# Altium PCB button_PVT_P2_20180323.PcbDoc
Units mm, origin at the board's own origin, x right, y up, seen from the top; angles counter-clockwise.
Board outline 28.62 x 28.62 mm, 2 copper layers (Top Layer, Bottom Layer), stack 0.6 mm thick; 101 components, 60 nets, 286 pads, 241 vias.
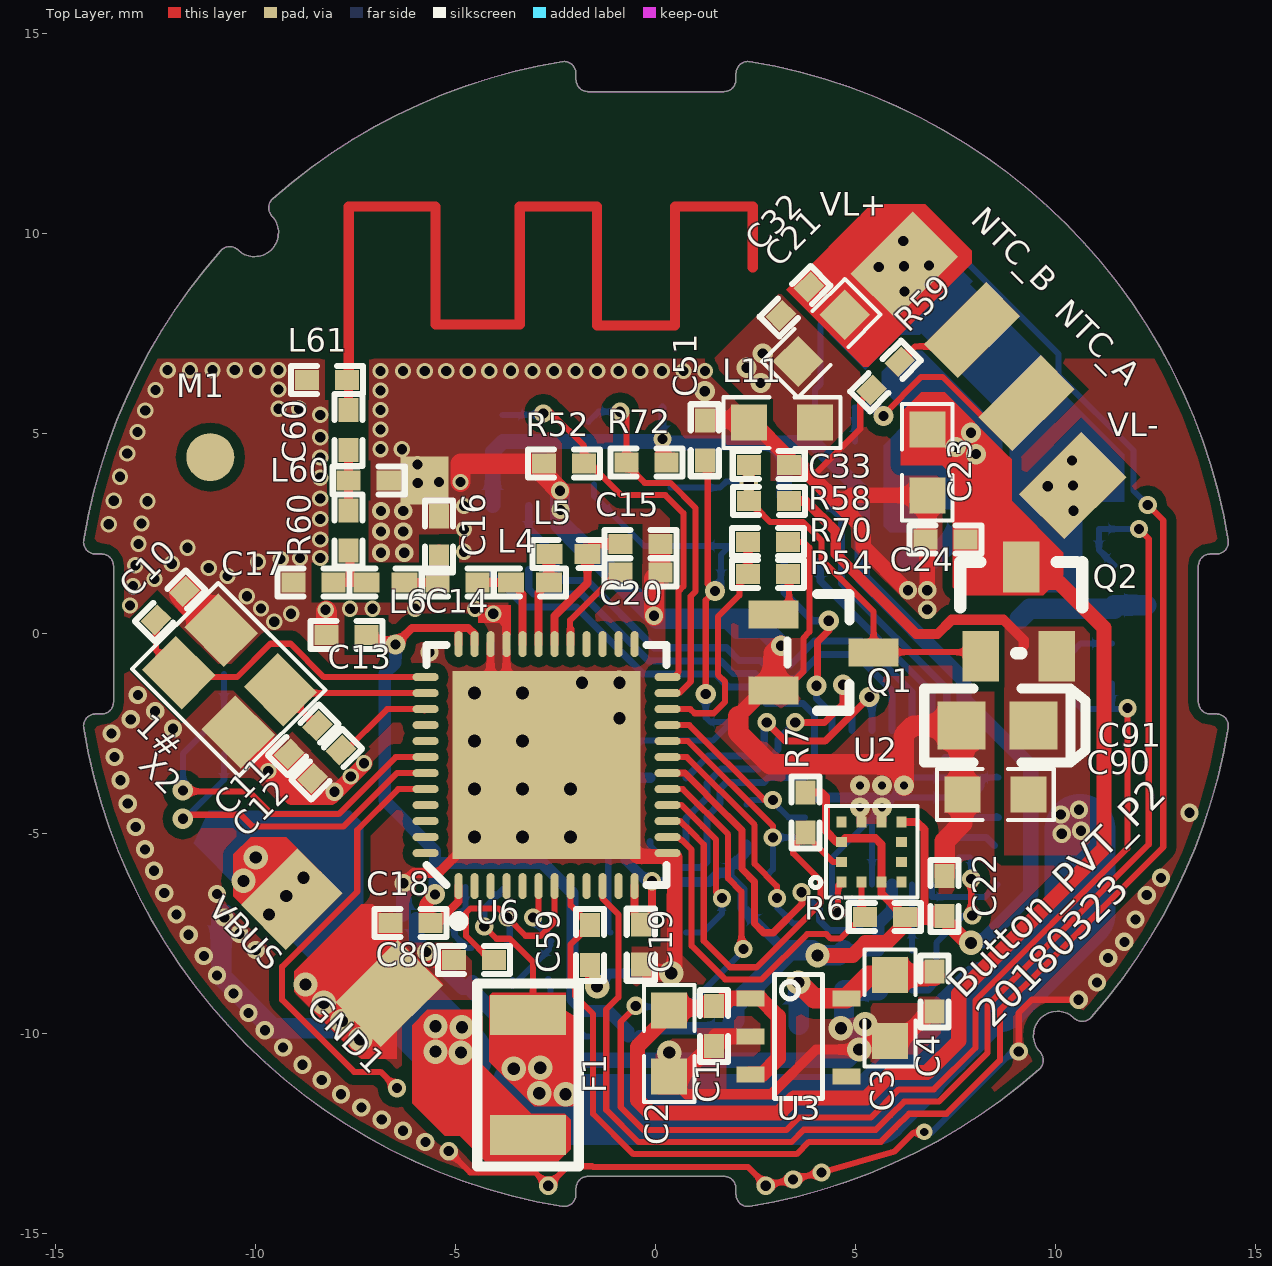
[diagram p0: Top Layer view]
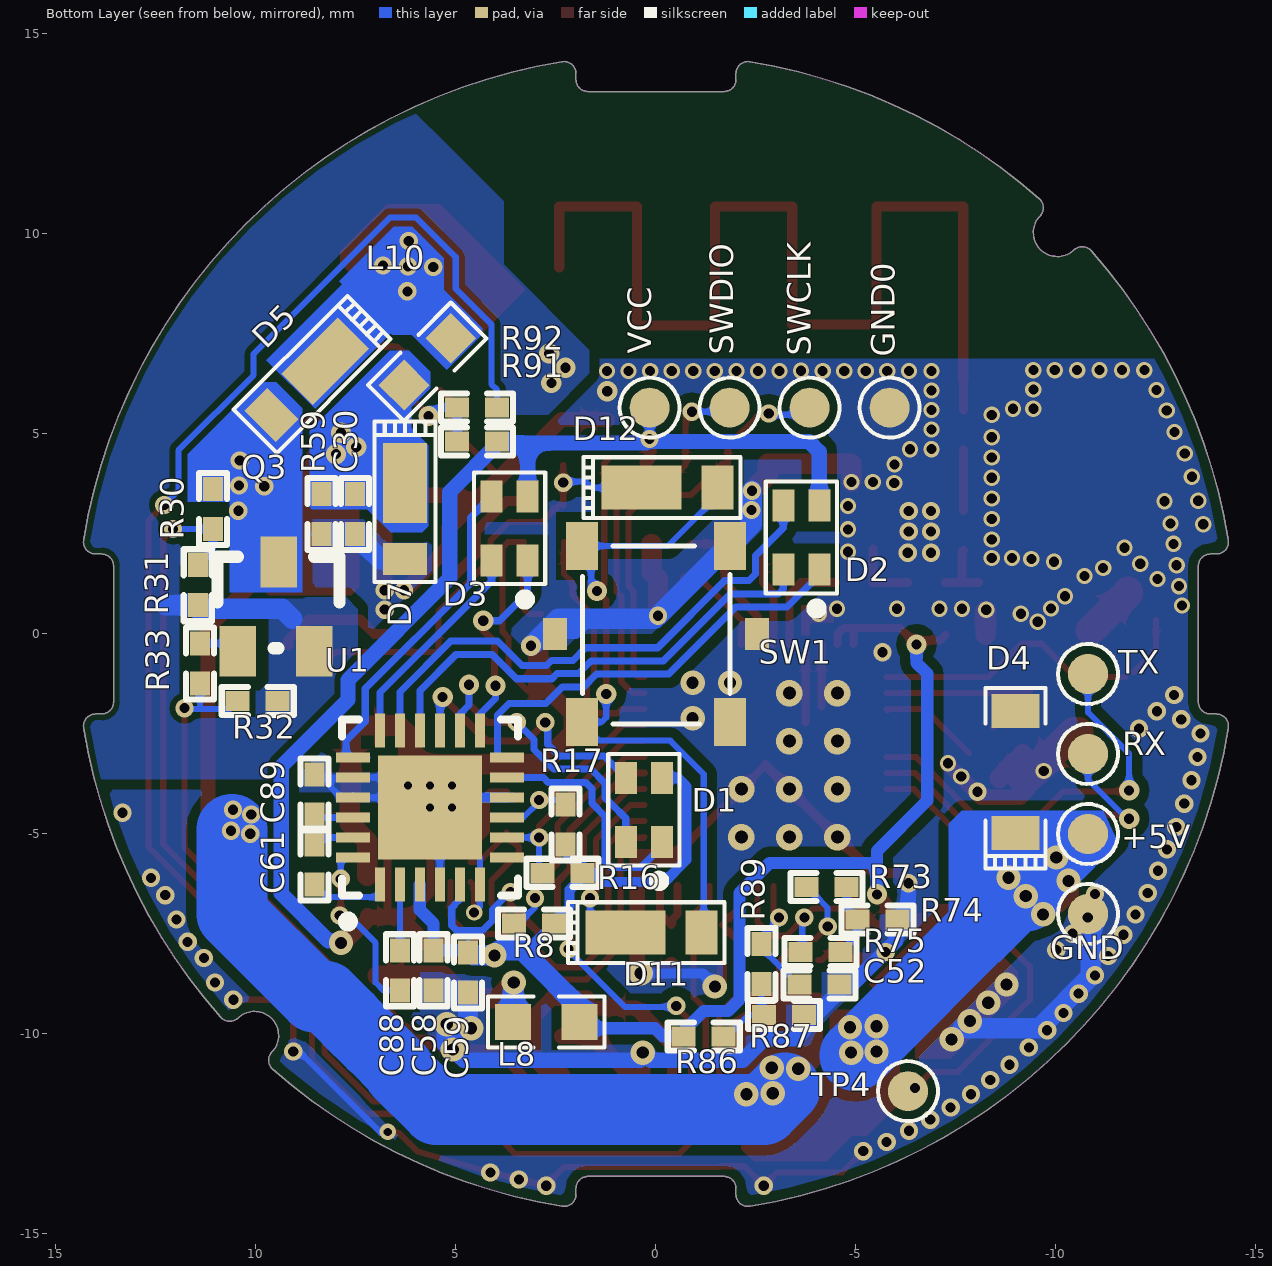
[diagram p1: Bottom Layer view, seen from below]
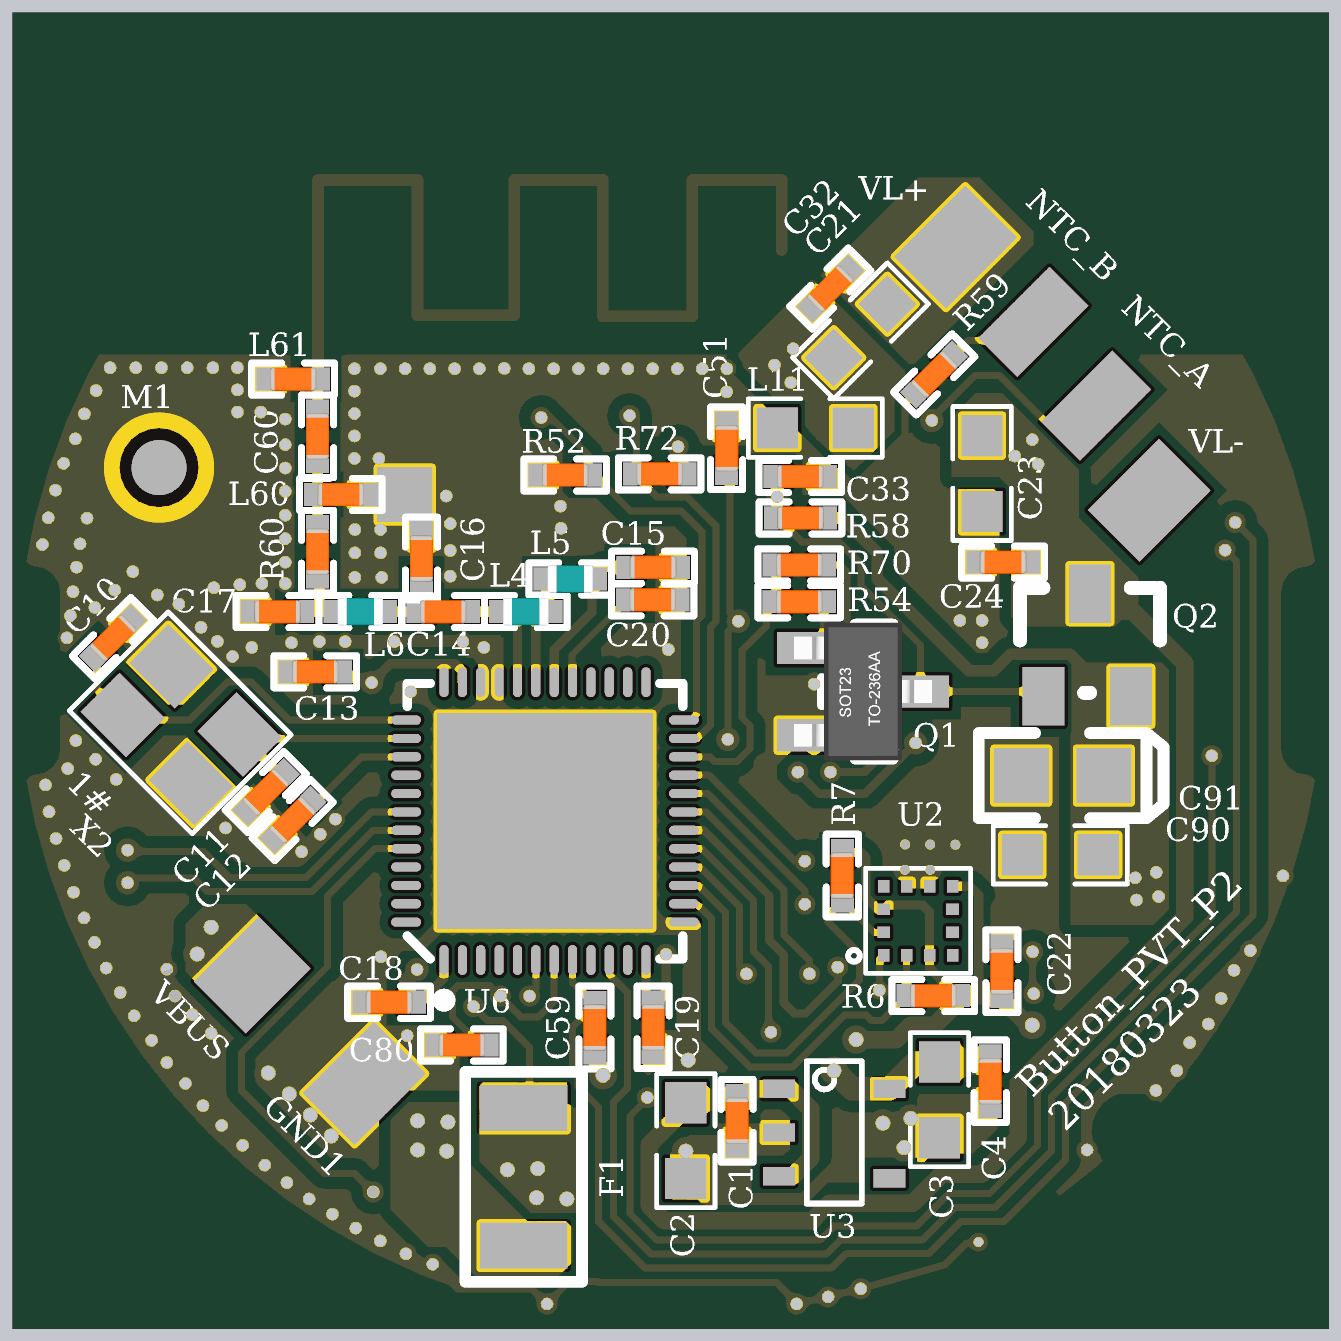
[diagram p2: 3D render of the assembled board from above, using the file's embedded part models]
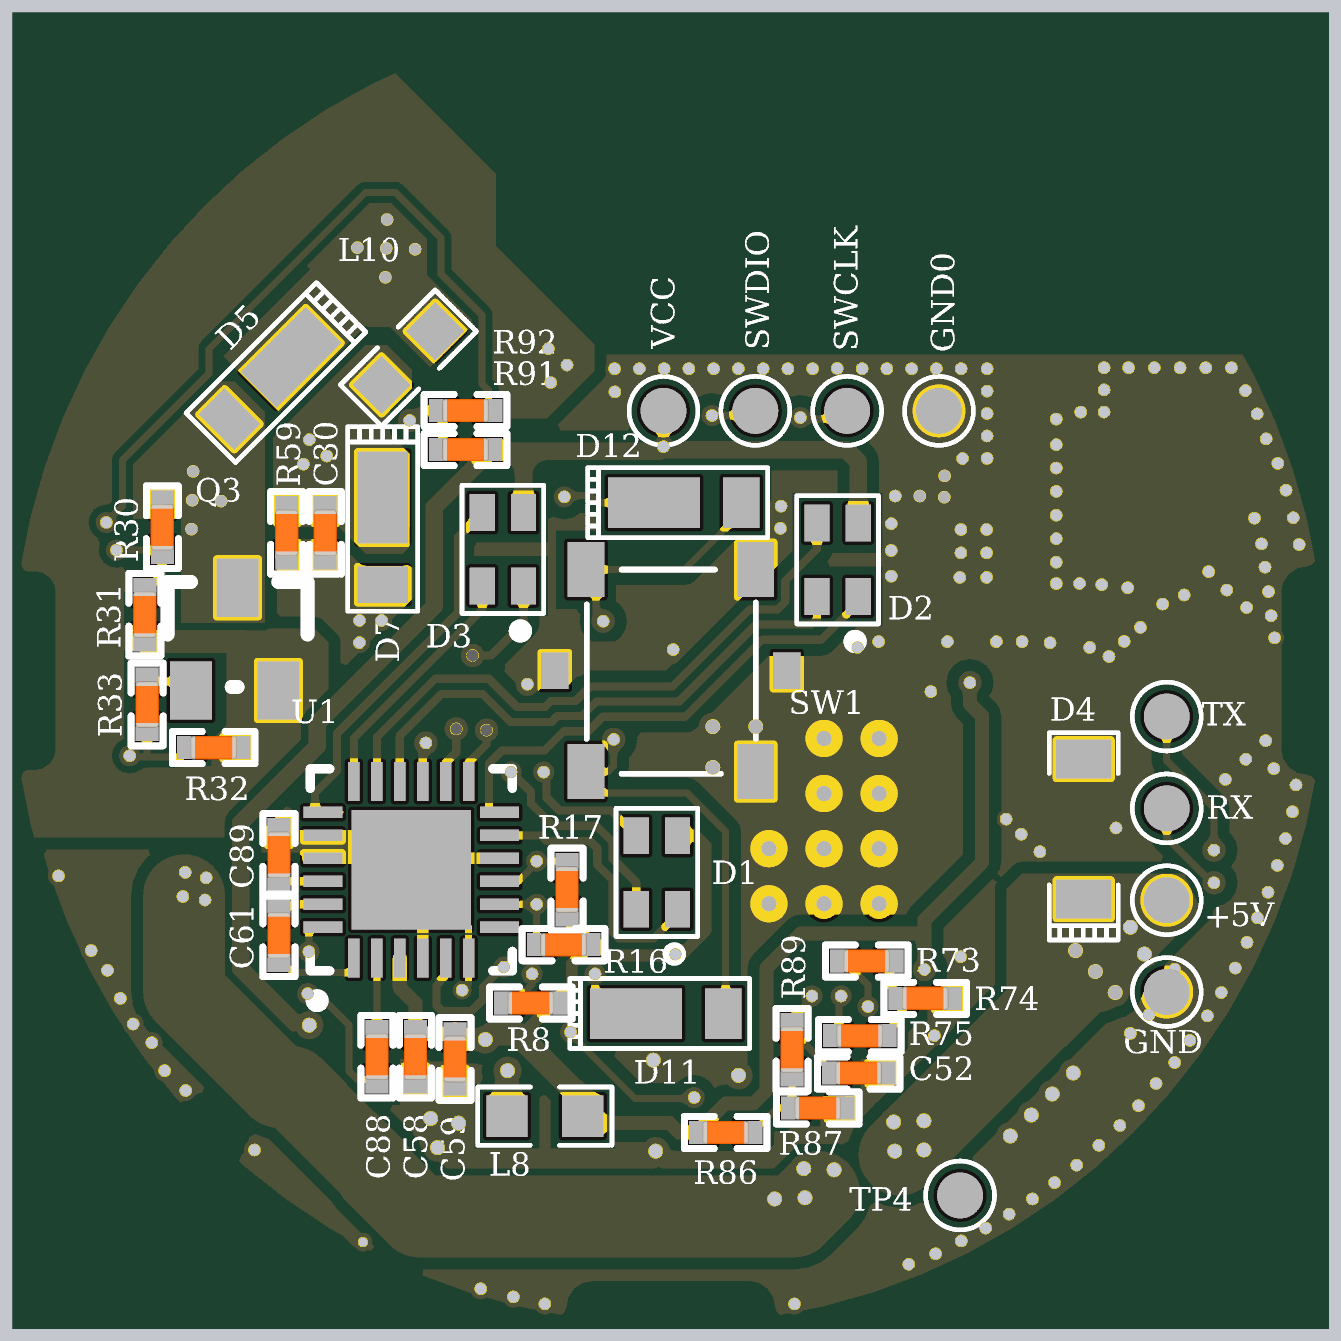
[diagram p3: 3D render of the assembled board from below, using the file's embedded part models]

## Layer stack, top to bottom
Top Solder: solder mask 0.1, Solder Resist, Dk 1.5
Top Layer: signal copper 0.15
Dielectric1: core 0.4, FR-4, Dk 1.8
Bottom Layer: signal copper 0.05
Bottom Solder: solder mask 0.1, Solder Resist, Dk 3.5

## Board outline
-14.309,-2.349 cw(c-14.012,-2.3) -14.012,-2 -13.861,-2 ccw(c-13.861,-1.7) -13.561,-1.7 -13.561,1.7 ccw(c-13.861,1.7) -13.861,2 -14.012,2 cw(c-14.012,2.3) -14.309,2.349 -14.309,2.348 cw(c0,0) -10.882,9.583 cw(c-10.657,9.384) -10.45,9.601 ccw(c-10.035,10.035) -9.601,10.45 cw(c-9.384,10.657) -9.583,10.882 cw(c0,0) -2.348,14.309 -2.349,14.309 cw(c-2.3,14.012) -2,14.012 -2,13.861 ccw(c-1.7,13.861) -1.7,13.561 1.7,13.561 ccw(c1.7,13.861) 2,13.861 2,14.012 cw(c2.3,14.012) 2.349,14.309 2.348,14.309 cw(c0,0) 14.309,2.348 14.309,2.349 cw(c14.012,2.3) 14.012,2 13.861,2 ccw(c13.861,1.7) 13.561,1.7 13.561,-1.7 ccw(c13.861,-1.7) 13.861,-2 14.012,-2 cw(c14.012,-2.3) 14.309,-2.349 14.309,-2.348 cw(c0,0) 10.882,-9.583 cw(c10.657,-9.384) 10.45,-9.601 ccw(c10.035,-10.035) 9.601,-10.45 cw(c9.384,-10.657) 9.583,-10.882 cw(c0,0) 2.348,-14.309 2.349,-14.309 cw(c2.3,-14.012) 2,-14.012 2,-13.861 ccw(c1.7,-13.861) 1.7,-13.561 -1.7,-13.561 ccw(c-1.7,-13.861) -2,-13.861 -2,-14.012 cw(c-2.3,-14.012) -2.349,-14.309 -2.348,-14.309 cw(c0,0)

## Design rules (kind name [scope] priority, off if disabled: settings)
Clearance Polygon_ANT [(InNamedPolygon('Top_Layer-GND')) or (InNamedPolygon('Bottom_Layer-GND')) vs InNet('NetC6_1')] p1: gap=0.152
Clearance Polygon [(InNamedPolygon('Top_Layer-GND')) or (InNamedPolygon('Bottom_Layer-GND'))] p2: gap=0.254
Clearance [All] p3: gap=0.152
ComponentClearance [All] p1 off: gap=0.254 collisioncheckmode=3 verticalgap=0.254 showdistances=FALSE
FabricationTestPointUsage TestPointUsage [All] p1: valid=0 allowmultiple=FALSE
FabricationTestpoint Testpoint [All] p1: side=3 testpointundercomponent=TRUE minsize=1.016 maxsize=2.54 preferedsize=1.524 minholesize=0 maxholesize=1.016 preferedholesize=0.813 testpointgrid=0.025 allowsidetop=TRUE allowsidebottom=TRUE usegrid=TRUE gridtolerance=0
Height [All] p1 off: minheight=0 maxheight=25.4 prefheight=12.7
HoleSize [All] p1: absolutevalues=TRUE maxlimit=4.064 minlimit=0.254 maxpercent=80.000 minpercent=20.000
MinimumAnnularRing [All] p1 off: minimumring=0.152
PlaneConnect [All] p1: planeconnectstyle=Direct reliefexpansion=0.508 reliefentries=4 reliefconductorwidth=0.381 reliefairgap=0.254
PolygonConnect PolygonConnect_1 [isVia and innet(gnd)] p1: connectstyle=Direct reliefconductorwidth=0.254 reliefentries=4 polygonreliefangle="90 Angle" airgapwidth=0.254
PolygonConnect [All] p2: connectstyle=Direct reliefconductorwidth=0.508 reliefentries=4 polygonreliefangle="90 Angle" airgapwidth=0.254
RoutingVias [All] p1: holewidth=0.406 width=0.813 viastyle="Through Hole" minholewidth=0.254 minwidth=0.254 maxholewidth=0.711 maxwidth=1.27
SilkToSolderMaskClearance SilkscreenOverComponentPads [IsPad] p1: minsilkscreentomaskgap=0.254 clearancetoexposedcopper=TRUE
SolderMaskExpansion [All] p1: expansion=0.076
Width [All] p1: maxlimit=2.54 minlimit=0.152 preferedwidth=0.152
23 further rules are at their usual default settings.

## Classes and differential pairs
component class button_mcu: 30 30mil C10 C11 C12 C13 C14 C15 C16 C17 C18 C19 C20 C52 C59 C60 GND GND0 L4 L5 L6 L60 L61 M1 NTC_A NTC_B R6 R7 R8 R16 R17 R52 R59 R60 R72 R86 R87 R89 R91 R92 RX SWCLK SWDIO TP3 TP4 TP20 TP21 TP22 TX U6 VCC X2
component class button_peripheral: +5V C1 C2 C3 C4 C21 C22 C23 C24 C30 C32 C33 C51 C80 C90 C91 D4 D5 D7 D11 D12 F1 GND1 GND_ L8 L10 L11 Q1 Q2 Q3 R30 R31 R32 R33 R54 R58 R59 R70 R73 R74 R75 SW1 TP27 U2 U3 VBUS VL+ VL-
component class LED: C58 C59 C61 C88 C89 D1 D2 D3 U1

## Components (designator, comment, footprint, x,y, rotation, side; value= is the part's Value field where it differs from the comment)
+5V "TP" TESTPOINT2 -10.8,-5 r90 bottom
C1 "0.1uF/10V" 0402C 1.448,-9.804 r270 top
C2 "10uF/10V" 0603C 0.33,-10.236 r270 top
C3 "10uF/10V" 0603C 5.853,-9.347 r270 top
C4 "0.1uF/10V" 0402C 6.96,-8.941 r270 top
C10 "12pF" CAPC1005X04L -12.144,0.708 r45 top
C11 "12pF" CAPC1005X04L -8.817,-2.645 r225 top
C12 "100nF" CAPC1005X04L -8.233,-3.255 r45 top
C13 "1.0nF" CAPC1005X04L -7.741,-0.027 r180 top
C14 "2.2pF" CAPC1005X04L -4.956,1.285 r180 top
C15 "2.2nF" CAPC1005X04L -0.384,2.25 r0 top
C16 "1.0pF" CAPC1005X04L -5.427,2.441 r90 top
C17 "1.5pF" CAPC1005X04L -8.563,1.285 r180 top
C18 "100nF" CAPC1005X04L -6.133,-7.221 r180 top
C19 "100nF" CAPC1005X04L -0.381,-7.769 r270 top
C20 "47nF" CAPC1005X04L -0.392,1.542 r0 top
C21 "22uF/25V" 0603C 4.136,7.399 r225 top
C22 "1uF/10V" 0402C 7.214,-6.547 r90 top
C23 "22uF/25V" 0603C 6.782,4.293 r270 top
C24 "1uF/50V" 0402C 7.239,2.362 r180 top
C30 "10nF/16V" 0402C 7.527,3 r270 bottom
C32 "1uF/50V" 0402C 3.475,8.321 r225 top
C33 "1pF/16V" 0402C 2.819,4.227 r0 top
C51 "0.1uF/10V" 0402C 1.219,4.843 r270 top
C52 "0.1uF/10V" 0402C -4.089,-8.763 r0 bottom
C58 "1uF" 0402C 5.563,-8.407 r270 bottom
C59 "0.1uF" 0402C 4.699,-8.458 r270 bottom
C59 "0.1uF/10V" 0402C -1.651,-7.772 r90 top
C60 "2.2pF" 0402C -7.69,5.104 r90 top
C61 "0.47uF" 0402C 8.535,-5.766 r90 bottom
C80 "0.1uF/10V" 0402C -4.547,-8.153 r180 top
C88 "0.47uF" 0402C 6.401,-8.407 r270 bottom
C89 "1uF" 0402C 8.534,-4.013 r270 bottom
C90 "1uF/10V" 0603C 8.484,-4.013 r180 top
C91 "10uF/10V" LC-CASE-P_2012 8.534,-2.286 r0 top
D1 "RGB3528" R6GHBHC 0.305,-4.394 r90 bottom
D2 "RGB3528" R6GHBHC -3.632,2.413 r90 bottom
D3 "RGB3528" R6GHBHC 3.658,2.642 r90 bottom
D4 "RSA5M" SOD-123 -8.992,-3.453 r270 bottom
D5 "RB160VAM-40TR" PROGRAM_1/2 8.941,6.147 r225 bottom
D7 "SS14/IN5819" PROGRAM_1/2 6.274,2.819 r180 bottom
D11 "RBE2VAM20A" TUMD2M -0.193,-7.468 r90 bottom
D12 "RBE2VAM20A" TUMD2M -0.584,3.658 r90 bottom
F1 "2A" "1206-FUSE - duplicate" -3.2,-11.024 r90 top locked
GND "TP" TESTPOINT2 -10.8,-7 r90 bottom
GND0 "TP" TESTPOINT2 -5.84,5.657 r90 bottom
GND1 "TP" TESTPOINT_PAD#1 -6.672,-8.989 r90 top
L4 "4.7nH" INDC1005X04L -3.153,1.285 r180 top
L5 "10nH" INDC1005X04L -2.188,1.996 r180 top
L6 "3.3nH" INDC1005X04L -6.76,1.285 r180 top
L8 "600R-1.5A" L_0603 2.743,-9.703 r0 bottom
L10 "600R-1.5A" L_0603 5.715,6.807 r315 bottom
L11 "600R-1.5A" L_0603 3.15,5.283 r180 top
L60 "NC" 0402R -7.182,3.834 r180 top
L61 "NC" 0402R -8.223,6.349 r0 top
M1 "MARK" "Mark Point" -11.142,4.422 r0 top
NTC_A "TP" TESTPOINT_PAD#2 9.266,5.771 r90 top
NTC_B "TP" TESTPOINT_PAD#2 7.898,7.596 r90 top
Q1 "SST4401T116" LC-SOT-23(SOT-23-3) 4.191,-0.457 r180 top
Q2 "RRR030P03" TSMT3 9.068,0.559 r0 top
Q3 "MOSFET-N" TSMT3 9.5,0.686 r180 bottom
R6 "4.7K 1%" 0402R 5.719,-7.079 r180 top
R7 "4.7K1%" 0402R 3.738,-4.462 r270 top
R8 "1K 5%" 0402R 3.048,-7.239 r0 bottom
R16 "4.7K 1%" 0402R 2.337,-5.969 r0 bottom
R17 "4.7K1%" 0402R 2.261,-4.767 r90 bottom
R30 "4.7K" 0402R 11.074,3.124 r90 bottom
R31 "1K" 0402R 11.455,1.219 r90 bottom
R32 "1K" 0402R 9.957,-1.676 r180 bottom
R33 "1K" 0402R 11.405,-0.737 r270 bottom
R52 "12K/5%" 0402R -2.297,4.26 r180 top
R54 "1K" 0402R 2.8,1.5 r180 top
R58 "1K" 0402R 2.828,3.325 r0 top
R59 "1K" 0402R 8.365,3 r90 bottom
R59 "0" 0402R 5.74,6.452 r45 top
R60 "0" 0402R -7.69,2.59 r90 top
R70 "1K" 0402R 2.8,2.3 r0 top
R72 "1K/5%" 0402R -0.24,4.285 r0 top
R73 "300K" 0402R -4.267,-6.325 r0 bottom
R74 "150K 1%" 0402R -5.537,-7.137 r0 bottom
R75 "200K 1%" 0402R -4.115,-7.95 r180 bottom
R86 "150K 1%" 0402R -1.194,-10.058 r0 bottom
R87 "150K 1%" 0402R -3.2,-9.525 r0 bottom
R89 "200K 1%" 0402R -2.642,-8.255 r270 bottom
R91 "10K 1%" 0402R 4.471,4.814 r0 bottom
R92 "200K 1%" 0402R 4.47,5.664 r180 bottom
RX "TP" TESTPOINT2 -10.8,-3 r90 bottom
SW1 "Switch_1" KEY_Panasonic 0,0 r0 bottom locked
SWCLK "TP" TESTPOINT2 -3.84,5.657 r90 bottom
SWDIO "TP" TESTPOINT2 -1.84,5.657 r180 bottom
TP4 "TP" TESTPOINT2 -6.299,-11.43 r90 bottom
TX "TP" TESTPOINT2 -10.8,-1 r90 bottom
U1 "LP55231" WQFN24 5.652,-4.338 r90 bottom
U2 "DS_DA226" LGA-12 5.389,-5.449 r90 top
U3 "TLV733P" SOT-23-5 2.362,-10.058 r0 top
U6 "nRF51822QFAA" QFN40P600X600X90-48N -2.736,-3.277 r90 top
VBUS "TP" TESTPOINT_PAD#3 -9.11,-6.627 r90 top locked
VCC "TP" TESTPOINT2 0.16,5.657 r90 bottom
VL+ "TP" TESTPOINT_PAD#4 6.206,9.223 r225 top
VL- "TP" TESTPOINT_PAD#4 10.422,3.711 r225 top
X2 "16MHz" XTAL/3225 -11.932,-0.966 r315 top

## Footprints (in the part's own frame and the unit in brackets; to place one, negate y for a bottom-side part, rotate by r counter-clockwise, add the part's x,y. Pads: shape width x height; smd on the part's side, far side on the other; paste and mask are expansions set on the pad)
0402C [mm]
  rect 0.6x0.5 smd: 1(-0.5,0) 2(0.5,0)
  silkscreen extent -0.9,-0.35 0.9,0.35, body extent -0.51,-0.25 0.51,0.25, height 0.5
0402R [mm]
  rect 0.6x0.5 smd: 1(-0.5,0) 2(0.5,0)
  silkscreen extent -0.9,-0.35 0.9,0.35, body extent -0.51,-0.25 0.51,0.25, height 0.5
0603C [mm]
  rect 0.9x0.9 smd: 1(-0.826,0) 2(0.826,0)
  silkscreen extent -1.46,-0.64 1.46,0.64, body extent -1.38,-0.55 1.38,0.55, height 0.9
"1206-FUSE - duplicate" [mm]
  rect 1x1.9 smd: 1(1.5,0) 2(-1.5,0)
  silkscreen extent -2.29,-1.27 2.29,1.27, body extent -2.43,-1.2 2.48,1.2, height 1.4
CAPC1005X04L [mm] "Chip Capacitor, 2-Leads, Body 1.0x0.5mm, IPC High Density"
  rect 0.6x0.5 smd: 1(-0.5,0) 2(0.5,0)
  silkscreen extent -0.9,-0.35 0.9,0.35, body extent -0.51,-0.25 0.51,0.25, height 0.5
INDC1005X04L [mm] "Chip Inductor, 2-Leads, Body 1.0x0.5mm, IPC High Density"
  rect 0.65x0.5 smd: 1(-0.475,0) 2(0.475,0)
  silkscreen extent -0.9,-0.35 0.9,0.35, body extent -0.5,-0.3 0.5,0.3, height 0.5
KEY_Panasonic [mm]
  rect 0.8x1.2 smd: 1(1.85,-2.2) 2(1.85,2.2) 3(-1.85,2.2) 4(-1.85,-2.2)
  rect 0.6x0.8 smd: ""(-2.525,0) ""(2.525,0)
  silkscreen extent -1.85,-2.2 1.83,2.25, body extent -2.9,-2.88 2.9,2.88, height 1.7
L_0603 [mm]
  rect 0.9x0.9 smd: 1(-0.826,0) 2(0.826,0)
  silkscreen extent -1.46,-0.64 1.46,0.64, body extent -1.38,-0.55 1.38,0.55, height 0.9
LC-CASE-P_2012 [mm]
  rect 1.2x1.2 smd: 1(0.9,0) 2(-0.9,0)
  silkscreen extent -1.83,-0.93 2.2,0.93, body extent -1.58,-0.68 1.58,0.68, height 1
LC-SOT-23(SOT-23-3) [mm]
  rect 1.25x0.7 smd: 1(1.25,0.95) 2(1.25,-0.95) 3(-1.25,0)
  silkscreen extent -0.65,-1.46 0.9,1.46, body extent -1.5,-1.5 1.5,1.5, height 1.3
LGA-12 [mm]
  rect 0.275x0.25 smd: 1(-0.75,0.75) 2(-0.75,0.25) 3(-0.75,-0.25) 4(-0.75,-0.75) 7(0.75,-0.75) 8(0.75,-0.25) 9(0.75,0.25) 10(0.75,0.75)
  rect 0.25x0.275 smd: 5(-0.25,-0.75) 6(0.25,-0.75) 11(0.25,0.75) 12(-0.25,0.75)
  silkscreen extent -1.14,-1.14 1.14,1.52, body extent -0.99,-0.99 0.99,0.99, height 1.2
"Mark Point" [mm]
  round 1.2 smd: 4(0,0)
  round 2.4 on Top Solder: 5(0,0)
PROGRAM_1/2 [mm]
  rect 1.1x2 smd: 1(0,0.95)
  rect 1.1x0.8 smd: 2(0,-0.95)
  silkscreen extent -0.76,-1.52 0.76,2.49, body extent -0.65,-1.45 0.65,2.05, height 0.8
QFN40P600X600X90-48N [mm] "QFN, 48-Leads, Body 6,0x6,0mm (max), Pitch 0,40mm, IPC Medium Density"
  oval 0.65x0.2 smd: 1(-3.025,2.2) 2(-3.025,1.8) 3(-3.025,1.4) 4(-3.025,1) 5(-3.025,0.6) 6(-3.025,0.2) 7(-3.025,-0.2) 8(-3.025,-0.6) 9(-3.025,-1) 10(-3.025,-1.4) 11(-3.025,-1.8) 12(-3.025,-2.2) 25(3.025,-2.2) 26(3.025,-1.8) 27(3.025,-1.4) 28(3.025,-1) 29(3.025,-0.6) 30(3.025,-0.2) 31(3.025,0.2) 32(3.025,0.6) 33(3.025,1) 34(3.025,1.4) 35(3.025,1.8) 36(3.025,2.2)
  oval 0.2x0.65 smd: 13(-2.2,-3.025) 14(-1.8,-3.025) 15(-1.4,-3.025) 16(-1,-3.025) 17(-0.6,-3.025) 18(-0.2,-3.025) 19(0.2,-3.025) 20(0.6,-3.025) 21(1,-3.025) 22(1.4,-3.025) 23(1.8,-3.025) 24(2.2,-3.025) 37(2.2,3.025) 38(1.8,3.025) 39(1.4,3.025) 40(1,3.025) 41(0.6,3.025) 42(0.2,3.025) 43(-0.2,3.025) 44(-0.6,3.025) 45(-1,3.025) 46(-1.4,3.025) 47(-1.8,3.025) 48(-2.2,3.025)
  rect 4.7x4.7 smd: 49(0,0)
  silkscreen extent -4.02,-3 3,3, body extent -3,-3 3,3, height 0.9
R6GHBHC [mm]
  rect 0.8x0.55 smd: 1(-0.8,-0.45) 2(-0.8,0.45) 3(0.8,0.45) 4(0.8,-0.45)
  silkscreen extent -1.9,-0.89 1.4,0.89, body extent -1.28,-0.8 1.28,0.8, height 0.4
SOD-123 [mm]
  rect 0.85x1.2 smd: 1(1.525,0) 2(-1.525,0)
  silkscreen extent -2.1,-0.75 2.41,0.75, body extent -2.05,-0.7 2.05,0.7, height 0.8
SOT-23-5 [mm]
  rect 0.7x0.4 smd: 1(0,0.95) 2(0,0) 3(0,-0.95) 4(2.4,-1) 5(2.4,0.95)
  silkscreen extent 0.6,-1.55 1.8,1.55, body extent -0.45,-1.3 2.85,1.25, height 1.45
TESTPOINT2 [mm]
  round 1 smd: 1(0,0)
  silkscreen extent -0.75,-0.75 0.75,0.75, body extent -0.6,-0.6 0.6,0.6, height 0.1
TESTPOINT_PAD#1 [mm]
  rect 2.2x1.6 smd rot 135: 1(0,0)
  body extent -1.45,-1.45 1.45,1.45, height 0.1
TESTPOINT_PAD#2 [mm]
  rect 2.2x1.2 smd rot 135: 1(0,0)
  body extent -1.31,-1.31 1.31,1.31, height 0.1
TESTPOINT_PAD#3 [mm]
  rect 2x1.6 smd rot 135: 1(0,0)
  body extent -1.52,-1.52 1.52,1.52, height 0.1
TESTPOINT_PAD#4 [mm]
  rect 2.2x1.6 smd: 1(0,0)
  body extent -1.18,-0.88 1.18,0.88, height 1
TSMT3 [mil]
  rect 36x50 smd: 1(-37.5,-44) 2(37.5,-44) 3(2.5,44)
  silkscreen extent -58,-41 62,49, body extent -60,-73 60,73, height 39
TUMD2M [mm]
  rect 1.1x2 smd: 1(0,0.95)
  rect 1.1x0.8 smd: 2(0,-0.95)
  silkscreen extent -0.76,-1.52 0.76,2.39, body extent -0.65,-1.45 0.65,2.05, height 0.8
WQFN24 [mm] "QFN, 24-Leads, Body 4.00x4.00mm, Pitch 0.50mm, Thermal Pad 2.60x2.60mm, IPC Medium Density"
  rect 0.85x0.25 smd: 1(-1.925,1.25) 2(-1.925,0.75) 3(-1.925,0.25) 4(-1.925,-0.25) 5(-1.925,-0.75) 6(-1.925,-1.25) 13(1.925,-1.25) 14(1.925,-0.75) 15(1.925,-0.25) 16(1.925,0.25) 17(1.925,0.75) 18(1.925,1.25)
  rect 0.25x0.85 smd: 7(-1.25,-1.925) 8(-0.75,-1.925) 9(-0.25,-1.925) 10(0.25,-1.925) 11(0.75,-1.925) 12(1.25,-1.925) 19(1.25,1.925) 20(0.75,1.925) 21(0.25,1.925) 22(-0.25,1.925) 23(-0.75,1.925) 24(-1.25,1.925)
  rect 2.6x2.6 smd: 25(0,0)
  silkscreen extent -2.97,-2.2 2.2,2.2, body extent -2.05,-2.05 2.05,2.05, height 0.8
XTAL/3225 [mm]
  rect 1.4x1.2 smd: 1(0,0) 2(2.1,0) 3(2.1,1.5) 4(0,1.5)
  silkscreen extent -0.89,-0.76 2.9,2.29, body extent -0.8,-0.7 2.9,2.2, height 0.8
